# KiCad board Neopixel_Controller.kicad_pcb
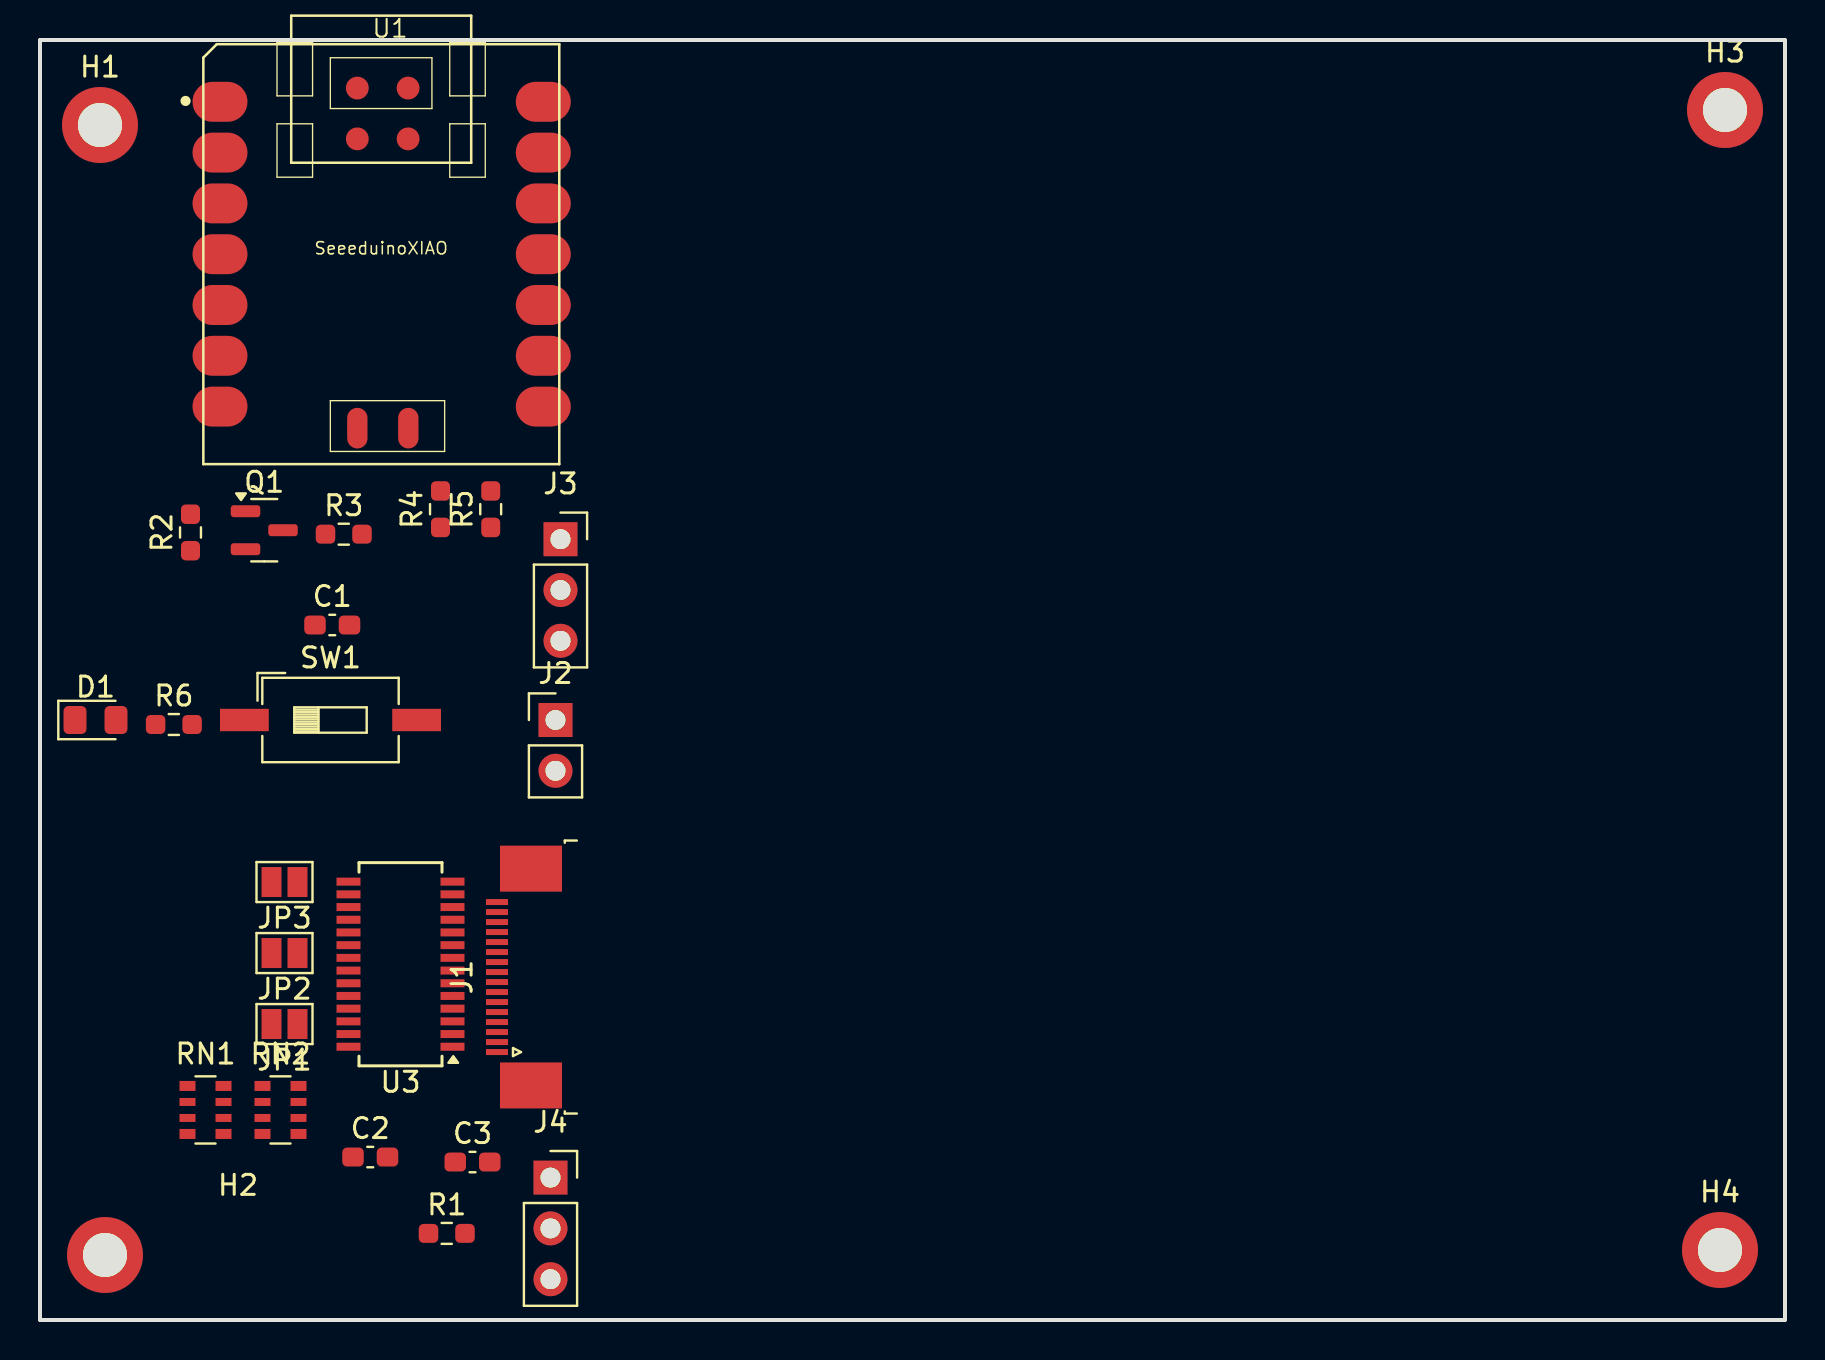
[diagram p0: board, top side]
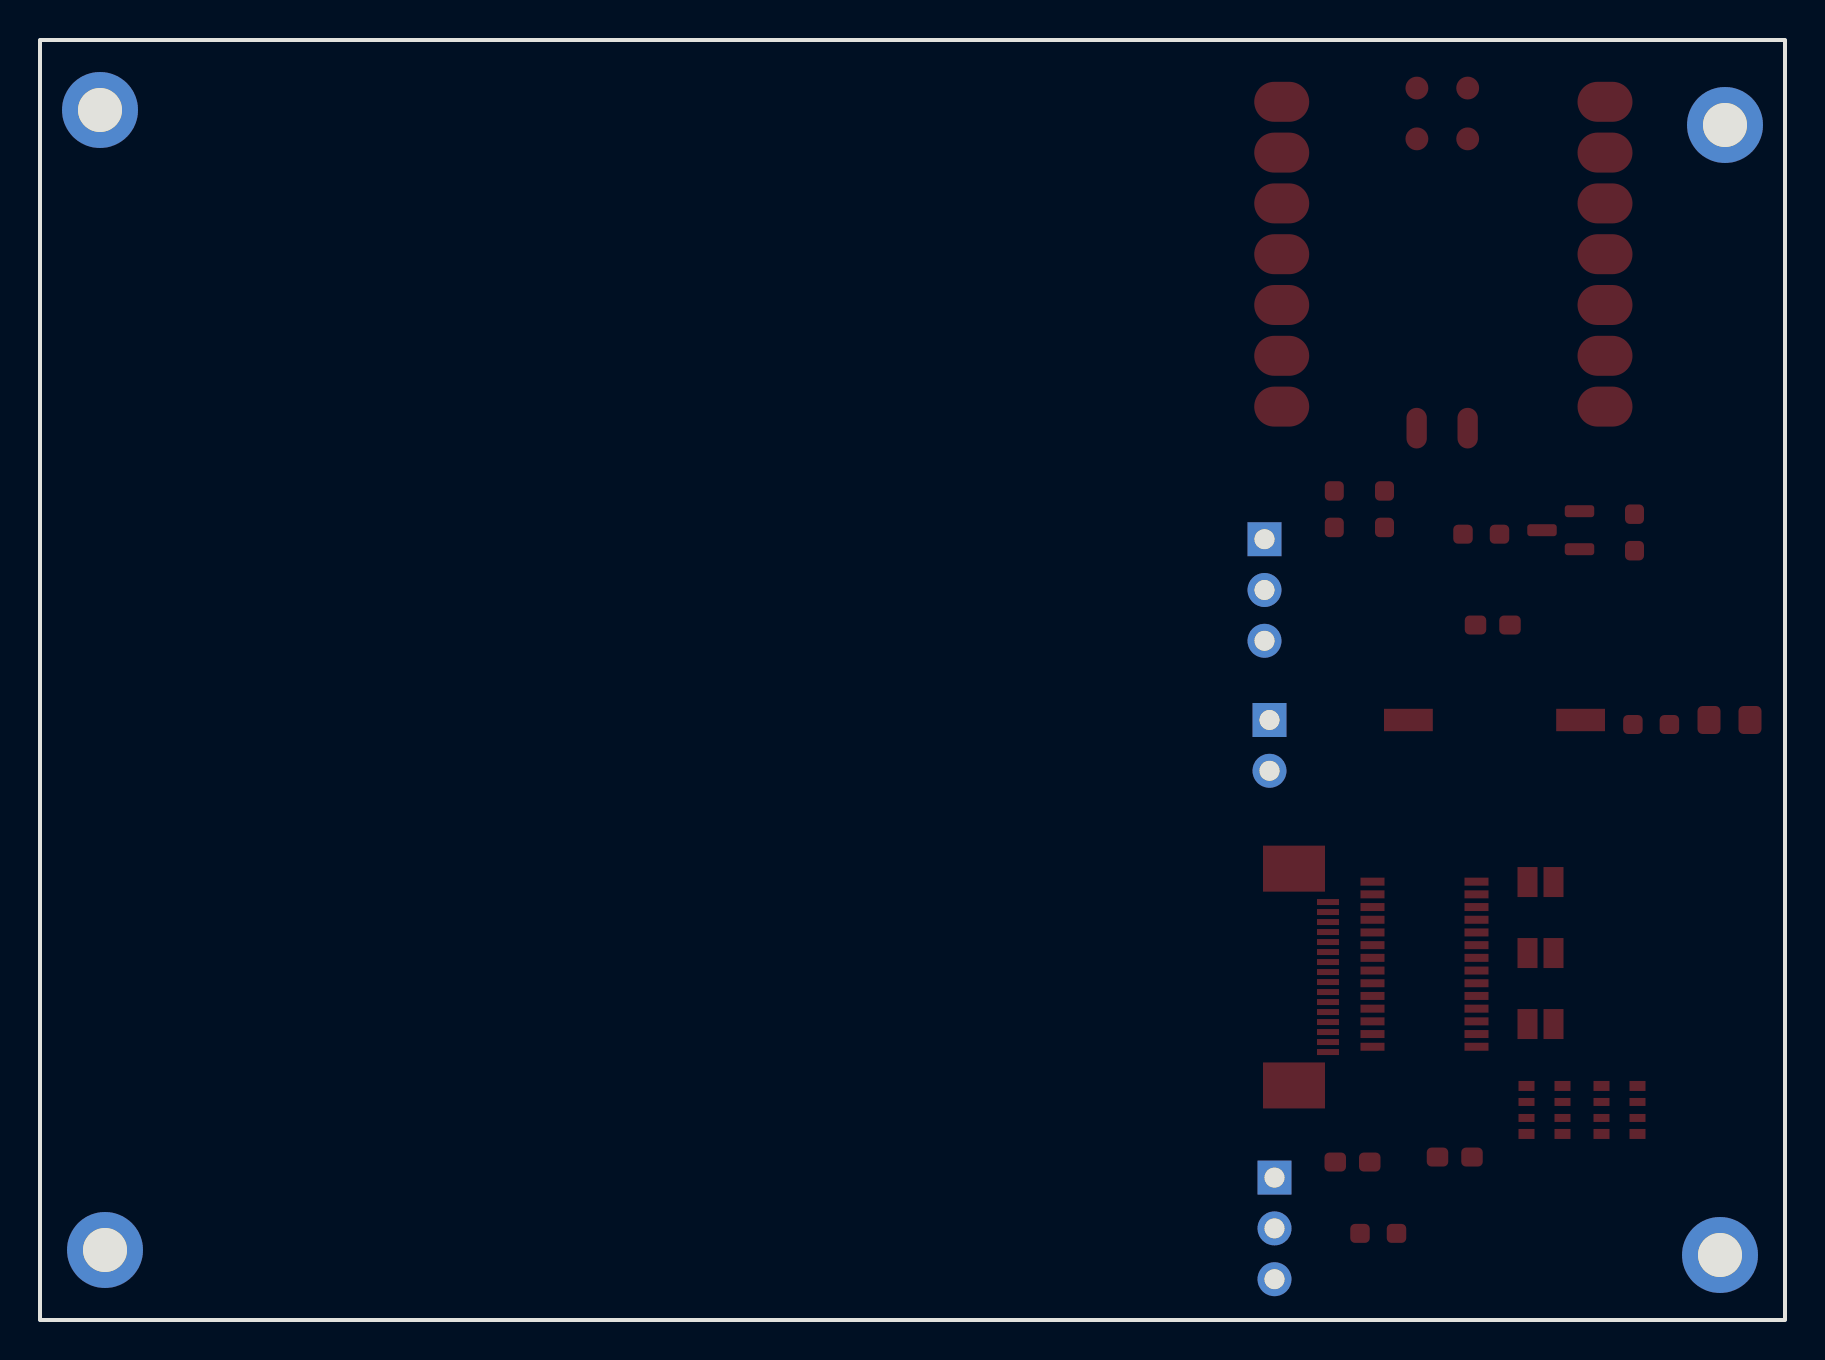
[diagram p1: board, bottom side, seen from below]

Outline 87.25 x 64 mm; copper layers: Top, Bottom. Coordinates in mm from the lower left corner of the outline.
Outline path: rectangle 0,64 87.25,0

## Placement (name value [footprint] x y rotation side)
C1  10uF  [C_0603_1608Metric_Pad1.08x0.95mm_HandSolder]  14.61 34.75 0 top
C2  10uF  [C_0603_1608Metric_Pad1.08x0.95mm_HandSolder]  16.51 8.15 0 top
C3  0.1uF  [C_0603_1608Metric_Pad1.08x0.95mm_HandSolder]  21.62 7.9 0 top
D1  LED  [LED_0805_2012Metric_Pad1.15x1.40mm_HandSolder]  2.77 30 0 top
H1  MountingHole_M3_3.2mm_Pad  [MountingHole_2.2mm_M2_DIN965_Pad]  3 59.75 0 top
H2  MountingHole_M3_3.2mm_Pad  [MountingHole_2.2mm_M2_DIN965_Pad]  3.25 3.25 0 top
H3  MountingHole_M3_3.2mm_Pad  [MountingHole_2.2mm_M2_DIN965_Pad]  84.25 60.5 0 top
H4  MountingHole_M3_3.2mm_Pad  [MountingHole_2.2mm_M2_DIN965_Pad]  84 3.5 0 top
J1  PINHD_1x16_Male  [TE_1-1734839-6_1x16-1MP_P0.5mm_Horizontal]  24.2 17.15 90 top
J2  PINHD_1x2_Male  [PinHeader_1x02_P2.54mm_Vertical]  25.78 30 0 top
J3  PINHD_1x3_Female  [PinSocket_1x03_P2.54mm_Vertical]  26.03 39.04 0 top
J4  PINHD_1x3_Female  [PinSocket_1x03_P2.54mm_Vertical]  25.52 7.12 0 top
JP1  SolderJumper_2_Open  [SolderJumper-2_P1.3mm_Open_Pad1.0x1.5mm]  12.22 14.8 180 top
JP2  SolderJumper_2_Open  [SolderJumper-2_P1.3mm_Open_Pad1.0x1.5mm]  12.22 18.35 180 top
JP3  SolderJumper_2_Open  [SolderJumper-2_P1.3mm_Open_Pad1.0x1.5mm]  12.22 21.9 180 top
Q1  BSS138  [SOT-23]  11.21 39.49 0 top
R1  330ohm  [R_0603_1608Metric_Pad0.98x0.95mm_HandSolder]  20.34 4.33 0 top
R2  10k  [R_0603_1608Metric_Pad0.98x0.95mm_HandSolder]  7.52 39.38 90 top
R3  10k  [R_0603_1608Metric_Pad0.98x0.95mm_HandSolder]  15.19 39.29 0 top
R4  10k  [R_0603_1608Metric_Pad0.98x0.95mm_HandSolder]  20.02 40.54 90 top
R5  10k  [R_0603_1608Metric_Pad0.98x0.95mm_HandSolder]  22.53 40.54 90 top
R6  330ohm  [R_0603_1608Metric_Pad0.98x0.95mm_HandSolder]  6.69 29.78 0 top
RN1  R_Pack04  [R_Array_Convex_4x0603]  8.27 10.5 0 top
RN2  R_Pack04  [R_Array_Convex_4x0603]  12.02 10.5 0 top
SW1  SW_SPST  [SW_DIP_SPSTx01_Slide_6.7x4.1mm_W8.61mm_P2.54mm_LowProfile]  14.53 30 0 top
U1  SeeeduinoXIAO  [Seeeduino XIAO-MOUDLE14P-2.54-21X17.8MM]  8.17 42.79 0 top
U3  MCP23017_ML  [SSOP-28_3.9x9.9mm_P0.635mm]  18.02 17.79 180 top

## Library data of the parts
C1-C3 = -: Description: Unpolarized capacitor; ki_fp_filters: C_*
D1 = -: Description: Common 5mm diameter LED; ki_fp_filters: LED_D5.0mm_Clear LED_D5.0mm_Horizontal_O1.27mm_Z3.0mm LED_D5.0mm_Horizontal_O3.81mm_Z3.0mm LED_D5.0mm_Horizontal_O6.35mm_Z3.0mm
H1-H4 = -: Description: 3.2mm Diameter Mounting Hole Pad (M3)
J1 = -: Description: Pin Header male with pin space 2.54mm. Pin Count -16; ki_fp_filters: PinHeader_1x16_P2.54mm*
J2 = -: Description: Pin Header male with pin space 2.54mm. Pin Count -2; ki_fp_filters: PinHeader_1x02_P2.54mm*
J3 J4 = -: Description: Pin Header female with pin space 2.54mm. Pin Count -3; ki_fp_filters: PinSocket_1x03_P2.54mm*
JP1-JP3 = -: Description: Solder Jumper, 2-pole, open; ki_fp_filters: SolderJumper*Open*
Q1 = -: Datasheet: https://www.onsemi.com/pub/Collateral/BSS138-D.PDF; Description: 50V Vds, 0.22A Id, N-Channel MOSFET, SOT-23; ki_fp_filters: SOT?23*
R1 R6 = -: Description: 330Î©, 1/4W Resistor; ki_fp_filters: Resistor_THT:R_Axial_DIN0207_L6.3mm_D2.5mm*
R2-R5 = -: Description: 10kÎ©, 1/4W Resistor; ki_fp_filters: Resistor_THT:R_Axial_DIN0207_L6.3mm_D2.5mm*
RN1 RN2 = -: Description: 4 resistor network, parallel topology; ki_fp_filters: DIP* SOIC* R*Array*Concave* R*Array*Convex*
SW1 = -: Description: Single Pole Single Throw (SPST) switch
U3 = -: Datasheet: http://ww1.microchip.com/downloads/en/DeviceDoc/20001952C.pdf; Description: 16-bit I/O expander, I2C, interrupts, w pull-ups, QFN-28; ki_fp_filters: QFN*6x6mm*P0.65mm*

## Footprints (pads in the part's own frame, mm; a bottom-side part is the same pattern mirrored in y, then rotated)
C_0603_1608Metric_Pad1.08x0.95mm_HandSolder
  rrect 1.075x0.95 smd: 1(-0.863,0) 2(0.863,0)
LED_0805_2012Metric_Pad1.15x1.40mm_HandSolder
  rrect 1.15x1.4 smd: 1(-1.025,0) 2(1.025,0)
MountingHole_2.2mm_M2_DIN965_Pad
  round 3.8 hole 2.2: 1(0,0)
PinHeader_1x02_P2.54mm_Vertical
  rect 1.7x1.7 hole 1: 1(0,0)
  oval 1.7x1.7 hole 1: 2(0,-2.54)
PinSocket_1x03_P2.54mm_Vertical
  rect 1.7x1.7 hole 1: 1(0,0)
  oval 1.7x1.7 hole 1: 2(0,-2.54) 3(0,-5.08)
R_0603_1608Metric_Pad0.98x0.95mm_HandSolder
  rrect 0.975x0.95 smd: 1(-0.912,0) 2(0.912,0)
R_Array_Convex_4x0603
  rect 0.8x0.5 smd: 1(-0.9,1.2) 4(-0.9,-1.2) 5(0.9,-1.2) 8(0.9,1.2)
  rect 0.8x0.4 smd: 2(-0.9,0.4) 3(-0.9,-0.4) 6(0.9,-0.4) 7(0.9,0.4)
Seeeduino XIAO-MOUDLE14P-2.54-21X17.8MM
  oval 2.748x1.999 smd: 1(0.833,18.118) 2(0.833,15.578) 3(0.833,13.038) 4(0.833,10.498) 5(0.833,7.958) 6(0.833,5.418) 7(0.833,2.878) 8(16.998,2.878) 9(16.998,5.418) 10(16.998,7.958) 11(16.998,10.498) 12(16.998,13.038) 13(16.998,15.578) 14(16.998,18.118)
  oval 1.016x2.032 smd: 15(7.7,1.8) 16(10.25,1.8)
  round 1.143 smd: 17(7.699,18.804) 18(10.239,18.804) 19(7.699,16.264) 20(10.239,16.264)
SolderJumper-2_P1.3mm_Open_Pad1.0x1.5mm
  rect 1x1.5 smd: 1(-0.65,0) 2(0.65,0)
SOT-23
  rrect 1.475x0.6 smd: 1(-0.938,0.95) 2(-0.938,-0.95) 3(0.938,0)
SSOP-28_3.9x9.9mm_P0.635mm
  rect 1.2x0.4 smd: 1(-2.6,4.128) 2(-2.6,3.492) 3(-2.6,2.857) 4(-2.6,2.223) 5(-2.6,1.587) 6(-2.6,0.952) 7(-2.6,0.318) 8(-2.6,-0.318) 9(-2.6,-0.953) 10(-2.6,-1.587) 11(-2.6,-2.222) 12(-2.6,-2.858) 13(-2.6,-3.493) 14(-2.6,-4.128) 15(2.6,-4.128) 16(2.6,-3.492) 17(2.6,-2.857) 18(2.6,-2.223) 19(2.6,-1.587) 20(2.6,-0.952) 21(2.6,-0.318) 22(2.6,0.318) 23(2.6,0.953) 24(2.6,1.587) 25(2.6,2.222) 26(2.6,2.858) 27(2.6,3.493) 28(2.6,4.128)
SW_DIP_SPSTx01_Slide_6.7x4.1mm_W8.61mm_P2.54mm_LowProfile
  rect 2.44x1.12 smd: 1(-4.305,0) 2(4.305,0)
TE_1-1734839-6_1x16-1MP_P0.5mm_Horizontal
  rect 0.3x1.1 smd: 1(-3.75,1.35) 2(-3.25,1.35) 3(-2.75,1.35) 4(-2.25,1.35) 5(-1.75,1.35) 6(-1.25,1.35) 7(-0.75,1.35) 8(-0.25,1.35) 9(0.25,1.35) 10(0.75,1.35) 11(1.25,1.35) 12(1.75,1.35) 13(2.25,1.35) 14(2.75,1.35) 15(3.25,1.35) 16(3.75,1.35)
  rect 2.3x3.1 smd: MP(-5.42,-0.35) MP(5.42,-0.35)

## Nets
+3V3: Q1.1 R2.2 U1.12
GND: C1.2 C2.2 C3.2 D1.1 J1.16 J2.2 J3.2 J4.3 RN1.1 RN1.2 RN1.3 U1.13 U1.16 U1.20 U3.6
VCC: C2.1 C3.1 J3.1 J4.1 JP1.2 JP2.2 JP3.2 R3.2 R4.2 R5.2 RN2.6 RN2.7 RN2.8 U1.14 U3.5
DATA_3v3: Q1.2 R2.1 U1.1
DATA_5v: Q1.3 R1.1 R3.1
SCL: R5.1 U1.6 U3.8
SDA: R4.1 U1.5 U3.9
Net-(D1-Pad2): D1.2 R6.1
Net-(J4-Pad2): J4.2 R1.2
Net-(JP1-A): JP1.1 RN1.8 U3.11
Net-(JP2-A): JP2.1 RN1.7 U3.12
Net-(JP3-A): JP3.1 RN1.6 U3.13
Net-(RN2-R1.1): RN2.1 U3.14
Net-(RN2-R2.1): RN2.2 U3.16
Net-(RN2-R3.1): RN2.3 U3.15
Net-(SW1-A): C1.1 J3.3 R6.2 SW1.1
Net-(SW1-B): J2.1 SW1.2
Net-(U3-GPA0): J1.9 U3.17
Net-(U3-GPA1): J1.10 U3.18
Net-(U3-GPA2): J1.11 U3.19
Net-(U3-GPA3): J1.12 U3.20
Net-(U3-GPA4): J1.13 U3.21
Net-(U3-GPA5): J1.14 U3.22
Net-(U3-GPA6): J1.15 U3.23
Net-(U3-GPB0): J1.1 U3.25
Net-(U3-GPB1): J1.2 U3.26
Net-(U3-GPB2): J1.3 U3.27
Net-(U3-GPB3): J1.4 U3.28
Net-(U3-GPB4): J1.5 U3.1
Net-(U3-GPB5): J1.6 U3.2
Net-(U3-GPB6): J1.7 U3.3
Net-(U3-GPB7): J1.8 U3.4

Pads without a net: H1 1; H2 1; H3 1; H4 1; J1 MP; RN1 4 5; RN2 4 5; U1 2 3 4 7 8 9 10 11 15 17 18 19; U3 7 10 24
